# Altium PCB 充电桩应用监管系统2.PcbDoc
Units mm, origin at the board's own origin, x right, y up, seen from the top; angles counter-clockwise.
Board outline 91.69 x 70.49 mm, 2 copper layers (Top Layer, Bottom Layer); 38 components, 32 nets, 140 pads, 14 vias.
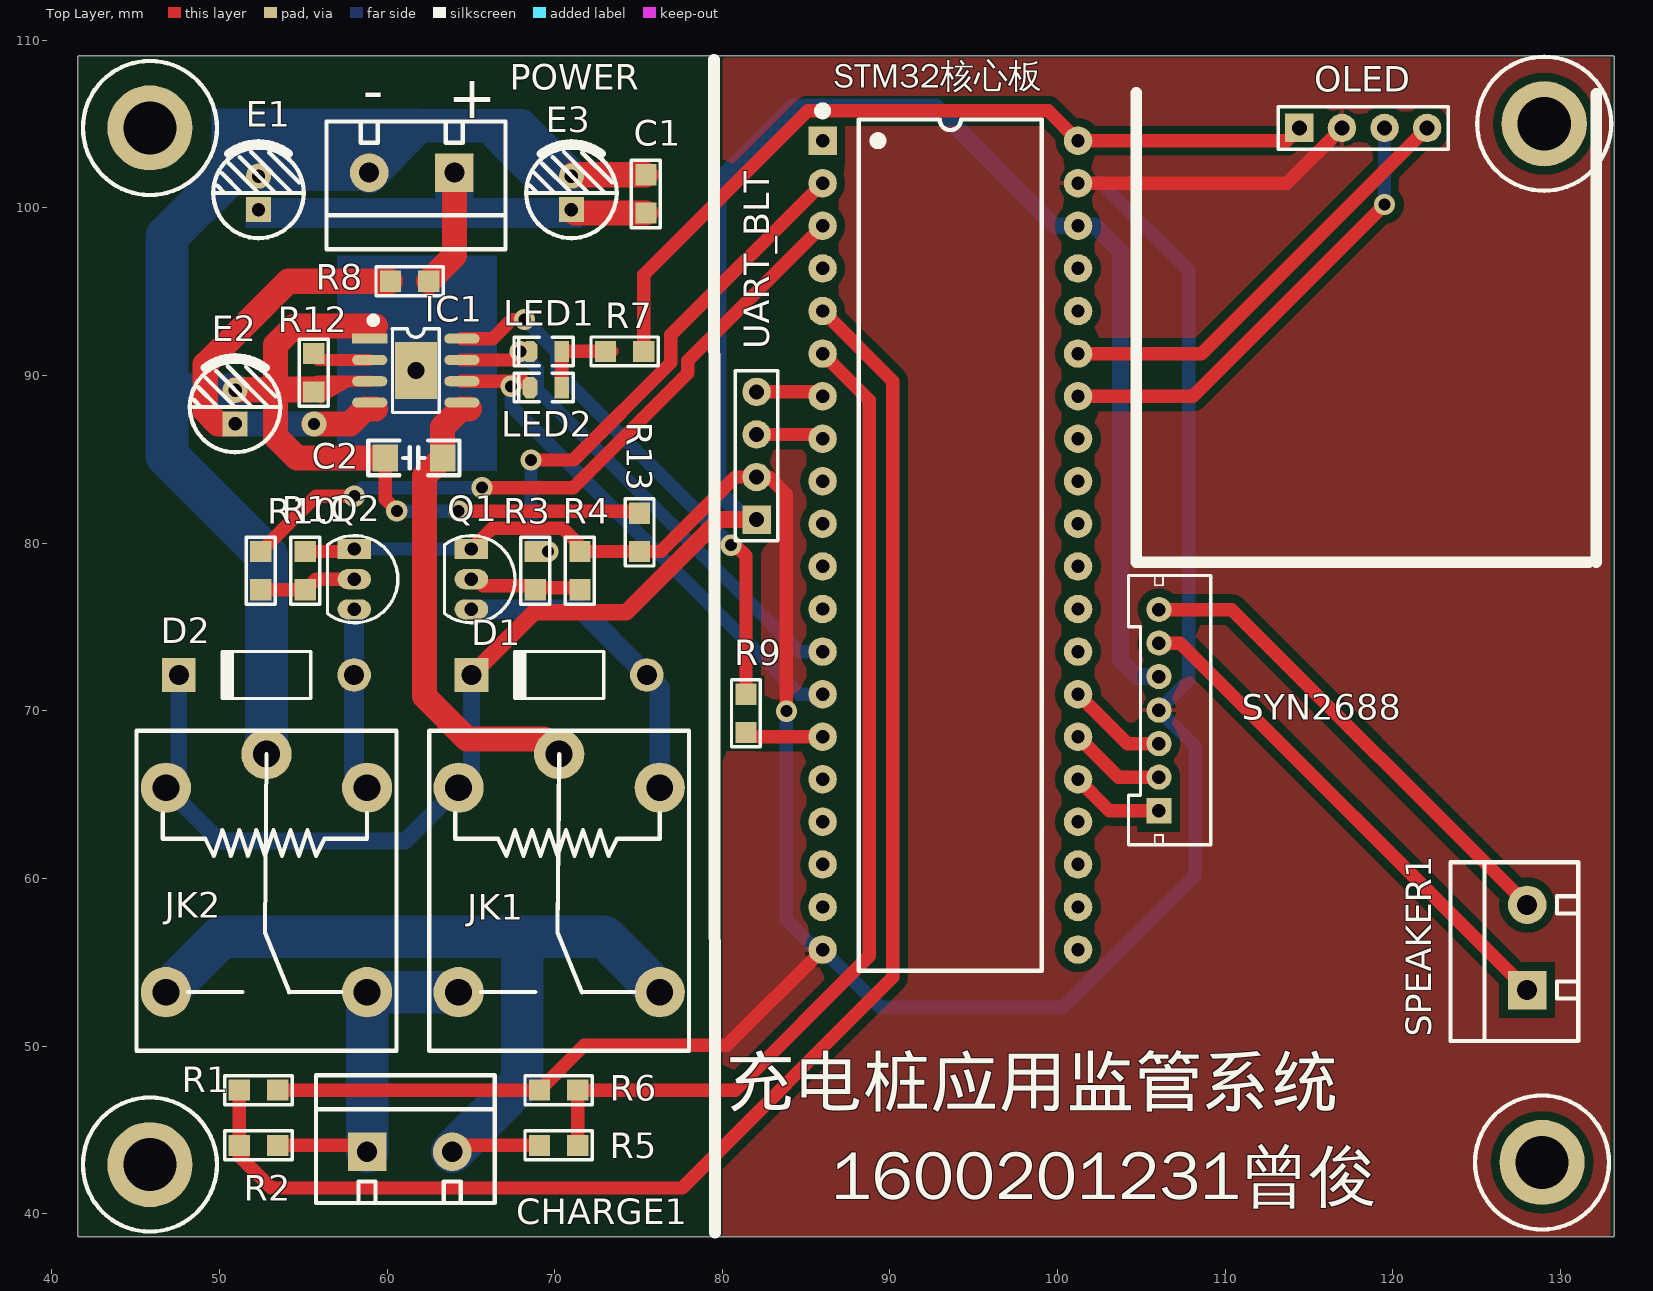
[diagram p0: Top Layer view]
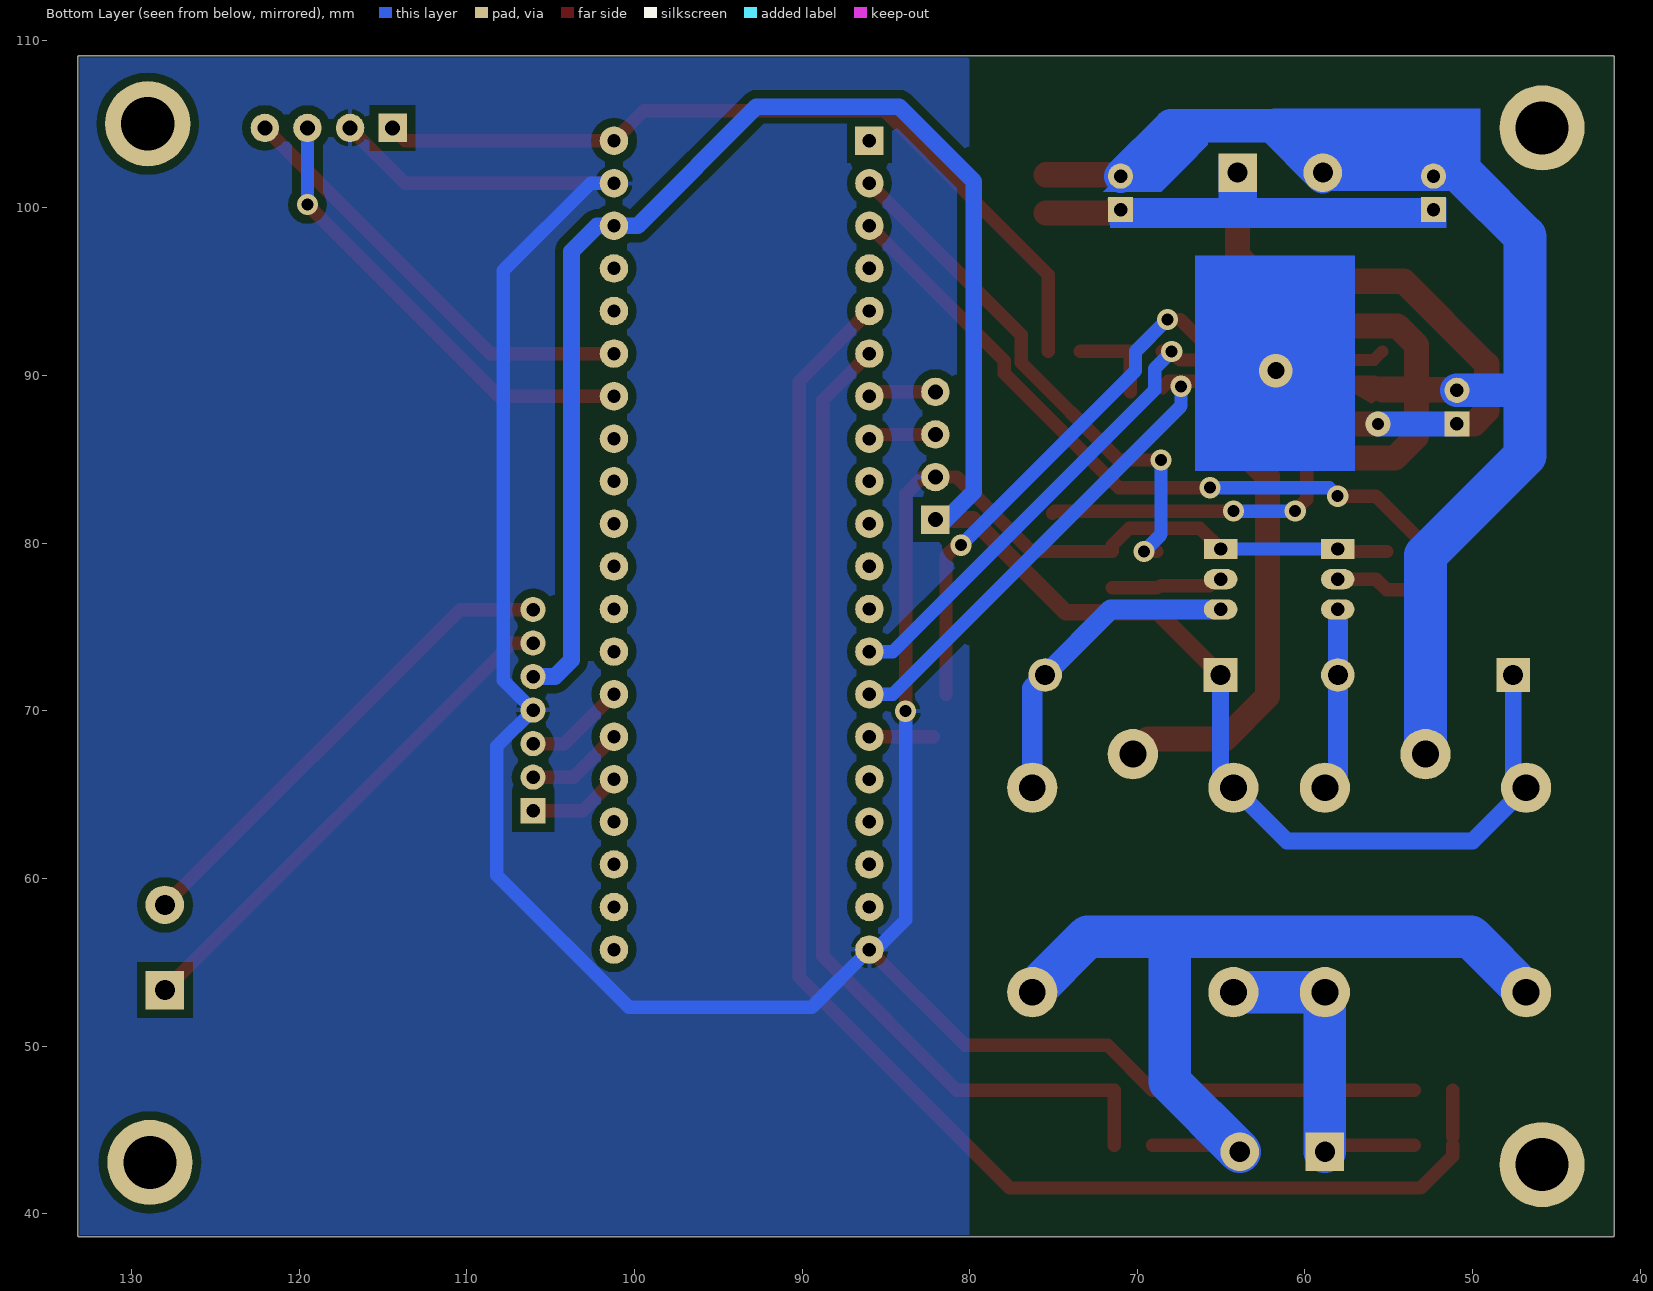
[diagram p1: Bottom Layer view, seen from below]

## Layer stack, top to bottom
Top Solder: solder mask 0.0102, Solder Resist, Dk 3.5
Top Layer: signal copper 0.0356
Dielectric 1: dielectric 0.32, FR-4, Dk 4.8
Bottom Layer: signal copper 0.0356
Bottom Solder: solder mask 0.0102, Solder Resist, Dk 3.5

## Board outline
41.529,38.735 41.529,108.839 cw(c41.656,108.839) 41.546,108.902 cw(c41.656,108.966) 41.656,109.093 133.096,109.093 cw(c133.096,108.966) 133.223,108.966 133.223,38.862 cw(c133.096,38.862) 133.206,38.799 cw(c133.096,38.735) 133.223,38.735 cw(c133.096,38.735) 133.096,38.608 41.656,38.608 cw(c41.656,38.735)

## Design rules (kind name [scope] priority, off if disabled: settings)
Clearance Clearance_GND [InPolygon] p1: gap=0.5 ignorepadtopadclearanceinfootprint=TRUE
Clearance [All] p2: gap=0.203 ignorepadtopadclearanceinfootprint=TRUE
HoleSize [All] p1: absolutevalues=TRUE maxlimit=3.54 minlimit=0.2 maxpercent=80.000 minpercent=20.000
PolygonConnect [All] p1: connectstyle=Relief reliefconductorwidth=0.254 reliefentries=4 polygonreliefangle="90 Angle" airgapwidth=0.254
RoutingVias [All] p1: holewidth=0.711 width=1.27 viastyle="Through Hole" minholewidth=0.711 minwidth=1.27 maxholewidth=0.711 maxwidth=1.27
SolderMaskExpansion [All] p1: expansion=0.102
Width [All] p1: maxlimit=3.54 minlimit=0.5 preferedwidth=0.7
29 further rules are at their usual default settings.

## Classes and differential pairs
component class 充电桩应用监管系统: C1 C2 CHARGE1 D1 D2 E1 E2 IC1 JK1 JK2 LED1 LED2 Q1 Q2 R1 R2 R3 R4 R5 R6 R7 R8 R9 R10 R11 R12 R13 SP2 SP3 SP4 SPEAKER1 STM32核心板 SYN2688

## Components (designator, comment, footprint, x,y, rotation, side; value= is the part's Value field where it differs from the comment)
C1 "104" "R 0805_M" 75.438,100.838 r90 top
C2 "10uF" "C 1206_M" 61.595,85.09 r0 top
CHARGE1 "HDR-1X2" KF301-5.0-2P 63.881,43.688 r0 top
D1 "1N4007" DO-41 70.262,72.136 r180 top
D2 "1N4007" DO-41 52.801,72.136 r180 top
E1 "470uF/16V" "CAP 2.0*5*11 - BK" 52.324,100.899 r90 top
E2 "10uF/16V" "CAP 2.0*5*11 - BK" 50.927,88.122 r90 top
E3 "470uF/16V" "CAP 2.0*5*11 - BK" 70.993,100.899 r90 top (schematic designator E1)
IC1 "TP4056x" ESOP8_M 61.712,90.297 r0 top
JK1 "" SRD-C_B 76.262,65.413 r270 top
JK2 "" SRD-C_B 58.801,65.413 r270 top
LED1 "红色" "LED 0805R" 69.469,91.44 r180 top
LED2 "绿色" "LED 0805G" 69.469,89.281 r180 top
OLED "HDR-1X4" HDR2.54-M-LI-4P 118.237,104.775 r0 top (schematic designator OLED1)
POWER "HDR-1X2" KF301-5.0-2P 58.928,102.108 r180 top (schematic designator POWER1)
Q1 "SS8050" TO92A 65.024,77.851 r180 top
Q2 "SS8050" TO92A 58.039,77.851 r180 top
R1 "1K" "R 0805_M" 52.324,47.371 r0 top
R2 "1K" "R 0805_M" 52.324,44.069 r180 top
R3 "1K" "R 0805_M" 68.834,78.359 r270 top
R4 "4.7K" "R 0805_M" 71.501,78.359 r270 top
R5 "1K" "R 0805_M" 70.231,44.069 r180 top
R6 "1K" "R 0805_M" 70.231,47.371 r0 top
R7 "1K" "R 0805_M" 74.168,91.44 r0 top
R8 "0.4Ω" "R 0805_M" 61.341,95.631 r0 top
R9 "1K" "R 0805_M" 81.407,69.85 r90 top
R10 "1K" "R 0805_M" 52.451,78.359 r270 top
R11 "4.7K" "R 0805_M" 55.118,78.359 r270 top
R12 "1.2K" "R 0805_M" 55.626,90.17 r90 top
R13 "0" "R 0805_M" 75.057,80.645 r90 top
SP1 "M3铜柱" M3x4_L 129.032,105.029 r0 top
SP2 "M3铜柱" M3x4_L 128.905,43.053 r0 top
SP3 "M3铜柱" M3x4_L 45.847,104.775 r0 top
SP4 "M3铜柱" M3x4_L 45.847,42.926 r0 top
SPEAKER1 "HDR-1X2" KF301-5.0-2P 128.016,58.42 r90 top
STM32核心板 "STM32F103C8T6核心板" DIP40-600_MH 93.599,79.883 r0 top (schematic designator U1)
SYN2688 "HDR-1X7" PH2.0-LI-7P 106.045,70.04 r90 top (schematic designator SYN1)
UART_BLT "HDR-1X4" HDR2.54-M-LI-4P 82.042,85.217 r90 top (schematic designator UART_BLUETOOTH1)

## Footprints (in the part's own frame and the unit in brackets; to place one, negate y for a bottom-side part, rotate by r counter-clockwise, add the part's x,y. Pads: shape width x height; smd on the part's side, far side on the other; paste and mask are expansions set on the pad)
"C 1206_M" [mil] "无极性贴片电容"
  rect 60x62.99 smd: 1(-67.51,-0.01) 2(67.5,0)
  silkscreen extent -107,-41 107,41, body extent -63,-32 63,32, height 48
"CAP 2.0*5*11 - BK" [mm] "脚距2mm直径5mm高度11mm"
  rect 1.5x1.5 hole 0.8: A(-1,0)
  round 1.5 hole 0.8: K(1,0)
  silkscreen extent -2.7,-2.7 2.96,2.7, body extent -2.5,-2.5 2.51,2.5, height 11.04
DIP40-600_MH [mm] "带底座 52*15.2*4mm(长宽高)"
  rect 1.7x1.7 hole 0.8: 1(-7.62,24.13)
  round 1.7 hole 0.8: 2(-7.62,21.59) 3(-7.62,19.05) 4(-7.62,16.51) 5(-7.62,13.97) 6(-7.62,11.43) 7(-7.62,8.89) 8(-7.62,6.35) 9(-7.62,3.81) 10(-7.62,1.27) 11(-7.62,-1.27) 12(-7.62,-3.81) 13(-7.62,-6.35) 14(-7.62,-8.89) 15(-7.62,-11.43) 16(-7.62,-13.97) 17(-7.62,-16.51) 18(-7.62,-19.05) 19(-7.62,-21.59) 20(-7.62,-24.13) 21(7.62,-24.13) 22(7.62,-21.59) 23(7.62,-19.05) 24(7.62,-16.51) 25(7.62,-13.97) 26(7.62,-11.43) 27(7.62,-8.89) 28(7.62,-6.35) 29(7.62,-3.81) 30(7.62,-1.27) 31(7.62,1.27) 32(7.62,3.81) 33(7.62,6.35) 34(7.62,8.89) 35(7.62,11.43) 36(7.62,13.97) 37(7.62,16.51) 38(7.62,19.05) 39(7.62,21.59) 40(7.62,24.13)
  silkscreen extent -7.87,-25.4 5.46,26.16, body extent -8.9,-26.18 8.9,26.18, height 8.3
DO-41 [mm] "Diode, Axial; Body 5.2 x 2.7 mm (LxDia. max), Lead Dia. 0.86 mm (max)"
  round 2 hole 1.2: 1(-5.23,0)
  rect 2x2 hole 1.2: 2(5.23,0)
  silkscreen extent -2.65,-1.4 2.75,1.4
ESOP8_M [mm] "5*6*1.8mm（长宽高）"
  rect 2.1x0.6 smd: 1(-2.75,1.905)
  oval 2.1x0.6 smd: 2(-2.75,0.635) 3(-2.75,-0.635) 4(-2.75,-1.905) 5(2.75,-1.905) 6(2.75,-0.635) 7(2.75,0.635) 8(2.75,1.905)
  rect 2.5x3.4 smd paste-2: 9(0,0)
  rect 0.9x0.7 on Top Paste: 10(-0.625,-1.1) 10(-0.625,0) 10(-0.625,1.1) 11(0.65,-1.1) 11(0.65,0) 11(0.65,1.1)
  silkscreen extent -2.69,-2.5 1.4,3.15, body extent -3,-2.5 3,2.5, height 1.53
HDR2.54-M-LI-4P [mm] "排母，4脚"
  rect 1.7x1.7 hole 0.9: 1(-3.81,0)
  round 1.7 hole 0.9: 2(-1.27,0) 3(1.27,0) 4(3.81,0)
  silkscreen extent -5.08,-1.27 5.08,1.27, body extent -5.08,-1.27 5.08,1.27, height 8.5
KF301-5.0-2P [mm] "可拼接端子/6A"
  rect 2.3x2.3 hole 1.2: 1(-5.08,0)
  round 2.3 hole 1.2: 2(0,0)
  silkscreen extent -8.13,-3.05 2.54,4.57, body extent -7.95,-3 2.55,4.6, height 10.05
"LED 0805G" [mil] "绿色0805LED"
  rect 35x50 smd: 1(-37.4,0)
  oct 35x50 smd: 2(37.4,0)
  silkscreen extent -64,-33 75,33, body extent -39,-25 39,25, height 32
"LED 0805R" [mil] "红色0805LED"
  rect 35x50 smd: 1(-37.41,0)
  oct 35x50 smd: 2(37.4,0)
  silkscreen extent -64,-33 75,33, body extent -39,-25 39,25, height 32
M3x4_L [mm] "M3铜柱，长：4mm"
  round 5.08 hole 3.175: 1(0,0)
  silkscreen extent -4,-4 4,4, body extent -2.7,-2.35 2.7,2.35, height 4.05
PH2.0-LI-7P [mm] "长：15.9mm，宽：4.7mm，高：6mm"
  rect 1.5x1.5 hole 0.8: 1(-6,0)
  round 1.5 hole 0.8: 2(-4,0) 3(-2,0) 4(0,0) 5(2,0) 6(4,0) 7(6,0)
  silkscreen extent -8.03,-3.08 8.03,1.82, body extent -7.95,-3 7.95,1.7, height 6.01
"R 0805_M" [mil] "1/8W贴片电阻"
  rect 50x50 smd: 1(-45.01,-0.01) 2(45,0)
  silkscreen extent -79,-34 79,34, body extent -39,-25 39,25, height 20
SRD-C_B [mm] "单刀双投"
  round 3 hole 1.6: 1(0,0) 2(0,-12) 3(-2,-6) 4(12.2,0) 5(12.2,-12)
  silkscreen extent -3.4,-13.75 15.7,1.75, body extent -3.4,-13.75 15.7,1.75, height 15.6
TO92A [mm] "92晶体管"
  rect 2x1.2 hole 0.8: 1(0,-1.8)
  oval 2x1.2 hole 0.8: 2(0,0) 3(0,1.8)
  silkscreen extent -2.6,-2.6 1.6,2.6, body extent -2.3,-2.3 1.3,2.3, height 7.6

## Part data
C1: library part C-CC, "直插瓷片电容"
C2: library part C, "无极性贴片电容"
CHARGE1 POWER SPEAKER1: library part "Header 2", "2P接插件"
D1 D2: "整流二极管"
E1 E2 E3: library part C-CAP, "直插电解电容"
IC1: library part TP4056, "锂电池充电管理"
JK1 JK2: library part SRD-05VDC-SL-C, "5V一组转换"
LED1 LED2: library part LED-3MM, "插件LED", 学习资源=ww
OLED UART_BLT: library part "Header 4", "4P接插件"
Q1 Q2: library part 8050-DIP, "高频放大-NPN型"
R1 R2 R3 R4 R5 R6 R7 R8 R9 R10 R11 R12 R13: library part R-CRR, "直插色环电阻"
SP1 SP2 SP3 SP4: library part 铜柱小焊盘, "铜柱"
SYN2688: library part "Header 7", "7P接插件"

## Via types
v1: diameter 1.27, hole 0.711, Top Layer to Bottom Layer, 12 vias
v2: diameter 1.5, hole 0.711, Top Layer to Bottom Layer, 1 vias
v3: diameter 2, hole 1, Top Layer to Bottom Layer, 1 vias

## Nets (pads, with @x,y where several pads share a name; then routed paths per layer and width w, separated by ;. In a path a pad name is that pad's centre, name@x,y a point inside that pad or via, vN(x,y) a via of type N, cw(c..) or ccw(c..) an arc to the next point about the centre after c; other vN are vias at no path point)
+3.3: OLED.1 R7.2 STM32核心板.40 | length 48.8
  Top Layer w0.8: R7.2 75.311,96.012 85.09,105.791 99.441,105.791 STM32核心板.40 113.665,104.013 OLED.1
+5: D1.2 D2.2 JK1.2 JK2.2 STM32核心板.38 SYN2688.5 UART_BLT.1 | length 133
  Top Layer w1: D1.2 68.774,75.878 74.263,75.878 79.792,81.407 UART_BLT.1
  Bottom Layer w1: D2.2 47.571,66.183 JK2.2 49.984,62.23 61.079,62.23 JK1.2 65.032,66.183 D1.2 ; UART_BLT.1 81.407,81.407 79.756,83.058 79.756,101.6 84.201,106.045 92.71,106.045 99.822,98.933 STM32核心板.38 102.235,98.933 103.759,97.409 103.759,73.025 104.744,72.04 SYN2688.5
ADC+: R5.1 R6.2 STM32核心板.6 | length 61.1
  Top Layer w0.8: R5.1 R6.2 80.772,47.371 88.773,55.372 88.773,88.519 STM32核心板.6
ADC-: R1.1 R2.2 STM32核心板.5 | length 89.9
  Top Layer w0.8: R2.2 51.181,43.434 53.086,41.529 77.597,41.529 90.17,54.102 90.17,89.662 STM32核心板.5 ; R2.2@51.181,44.577 R1.1
BAT: C2.2 IC1.5 JK1.3 | length 28
  Top Layer w1.5: 64.897,88.011 64.389,88.011 63.309,86.931 C2.2 62.23,84.01 62.23,70.866 64.77,68.326 69.349,68.326 JK1.3
BUSY: STM32核心板.25 SYN2688.1 | length 5.6
  Top Layer w0.8: STM32核心板.25 103.092,64.04 SYN2688.1
CHG: IC1.7 LED1.2 STM32核心板.13 | length 30.5
  Top Layer w0.8: IC1.7 67.437,90.932 v1(67.945,91.44) LED1.2
  Bottom Layer w0.8: v1(67.945,91.44) 68.961,90.424 68.961,89.154 84.582,73.533 STM32核心板.13
GND: OLED.2 Q1.1 Q2.1 R1.2 R4.1 R6.1 R11.1 R13.1 STM32核心板.20 STM32核心板.39 SYN2688.4 UART_BLT.2 | length 187.1
  Top Layer w0.8: R1.2 R6.1 71.755,50.038 80.264,50.038 STM32核心板.20 ; R11.1 57.89,79.502 Q2.1 ; Q1.1 66.272,80.899 70.485,80.899 71.501,79.883 R4.1 R13.1 76.327,79.502 80.772,83.947 UART_BLT.2 82.804,83.947 83.82,82.931 v1(83.82,69.977) ; STM32核心板.39 113.678,101.473 116.967,104.762 OLED.2
  Bottom Layer w0.8: Q2.1 Q1.1 ; v1(83.82,69.977) 83.82,57.531 85.598,55.753 STM32核心板.20 89.408,52.324 100.33,52.324 108.204,60.198 108.204,67.881 SYN2688.4 107.823,71.818 107.823,96.266 102.616,101.473 STM32核心板.39
JK1: R3.1 STM32核心板.2 | length 31.8
  Top Layer w0.8: v1(68.58,84.963) 71.12,84.963 76.93,90.773 76.93,92.424 STM32核心板.2 ; R3.1 v1(69.596,79.502)
  Bottom Layer w0.8: v1(68.58,84.963) 68.58,80.518 v1(69.596,79.502)
JK2: R10.1 STM32核心板.3 | length 42
  Top Layer w0.8: R10.1 55.753,82.804 v1(58.039,82.804) ; v1(65.659,83.312) 71.106,83.312 77.933,90.14 77.933,90.887 STM32核心板.3
  Bottom Layer w0.8: v1(58.039,82.804) 58.547,83.312 v1(65.659,83.312)
NetD1_1: D1.1 JK1.1 Q1.3 | length 19.1
  Bottom Layer w1.2: Q1.3 71.577,76.051 D1.1 76.262,71.366 JK1.1
NetD2_1: D2.1 JK2.1 Q2.3 | length 11
  Bottom Layer w1.2: Q2.3 58.031,76.043 D2.1 58.031,66.183 JK2.1
NetE2_1: E2.A IC1.4 R8.1 | length 26.7
  Top Layer w1.5: E2.A 49.911,87.122 49.149,87.884 49.149,90.678 54.102,95.631 R8.1 ; v2(55.626,87.122) 57.785,87.122 58.674,88.011 59.309,88.011
  Bottom Layer w1.5: E2.A v2(55.626,87.122)
NetIC1_2: IC1.2 R12.2 | length 3.8
  Top Layer w0.7: R12.2@55.372,91.44 55.88,90.932 IC1.2
NetIC1_8: IC1.8 R9.2 | length 32.2
  Top Layer w0.8: IC1.8 66.294,92.202 67.437,93.345 v1(68.199,93.345) ; v1(80.518,79.883) 80.772,79.883 81.407,79.248 R9.2
  Bottom Layer w0.8: v1(68.199,93.345) 70.104,91.44 70.104,90.297 v1(80.518,79.883)
NetLED1_1: LED1.1 LED2.1 R7.1 | length 5.4
  Top Layer w0.8: LED2.1@70.419,89.027 LED1.1 R7.1@73.406,91.44
NetQ1_2: Q1.2 R3.2 R4.2 | length 6.7
  Top Layer w0.8: Q1.2 65.326,77.851 65.707,77.47 68.58,77.47 68.834,77.343 R4.2@71.501,77.343
NetQ2_2: Q2.2 R10.2 R11.2 | length 5.9
  Top Layer w0.8: R10.2 R11.2 55.753,77.851 Q2.2
NetSPEAKER1_1: SPEAKER1.2 SYN2688.7 | length 29.3
  Top Layer w0.8: SYN2688.7 110.396,76.04 SPEAKER1.2
NetSPEAKER1_2: SPEAKER1.1 SYN2688.6 | length 30.5
  Top Layer w0.8: SYN2688.6 107.316,74.04 SPEAKER1.1
P+: CHARGE1.2 JK1.4 JK2.5 R5.2 | length 52.1
  Top Layer w0.8: CHARGE1.2 64.262,44.069 R5.2
  Bottom Layer w2.54: JK2.5 50.103,56.515 68.072,56.515 ; CHARGE1.2 68.072,47.879 68.072,56.515 ; JK1.4 72.96,56.515 68.072,56.515
P-: CHARGE1.1 JK1.5 JK2.4 R2.1 | length 20.5
  Top Layer w0.8: R2.1 58.42,44.069 CHARGE1.1
  Bottom Layer w2.54: CHARGE1.1 JK2.4 JK1.5
POWER+: C1.1 E1.A E3.A POWER.1 R8.2 | length 11.6
  Top Layer w1.5: R8.2 64.008,97.155 POWER.1 ; E3.A 71.198,99.695 C1.1
POWER-: C1.2 C2.1 E1.K E2.K E3.K IC1.1 IC1.3 JK2.3 POWER.2 R12.1 R13.2 | length 123
  Top Layer w0.7: 53.086,89.154 53.086,91.44 53.34,91.694 54.229,92.583 58.581,92.583 ; R12.1@55.372,89.154 55.88,89.662 IC1.3
  Top Layer w0.8: C2.1 59.88,82.614 v1(60.579,81.915) ; v1(64.262,81.915) 74.93,81.915 R13.2
  Top Layer w1.5: E2.K@50.927,89.154 52.594,89.154 ; 53.086,89.154 53.34,89.154 ; R12.1@55.372,89.154 53.34,89.154 ; 59.309,92.964 54.483,92.964 53.34,91.821 53.34,91.694 53.34,89.154 ; C2.1 54.61,85.09 53.34,86.36 53.34,89.154 ; E3.K 71.075,101.981 C1.2
  Bottom Layer w0.8: v1(60.579,81.915) v1(64.262,81.915)
  Bottom Layer w1.8: 50.464,101.899 E1.K 58.883,101.899 POWER.2@58.928,101.854
  Bottom Layer w2: 46.863,89.154 46.895,89.122 E2.K ; POWER.2@58.928,101.854 61.976,104.902 67.99,104.902 E3.K
  Bottom Layer w2.54: 50.464,101.899 46.863,98.298 46.863,89.154 46.863,85.217 52.801,79.279 JK2.3
SCL: OLED.3 STM32核心板.34 | length 27.6
  Top Layer w0.8: STM32核心板.34 108.077,88.773 v1(119.507,100.203)
  Bottom Layer w0.8: v1(119.507,100.203) OLED.3
SDA: OLED.4 STM32核心板.35 | length 26.4
  Top Layer w0.8: STM32核心板.35 108.585,91.313 OLED.4
STD: IC1.6 LED2.2 STM32核心板.14 | length 31.1
  Top Layer w0.8: IC1.6 68.138,89.662 LED2.2
  Bottom Layer w0.8: v1(67.386,89.359) 67.386,88.189 84.582,70.993 STM32核心板.14
SW1: R9.1 STM32核心板.15 | length 3.8
  Top Layer w0.8: 82.169,68.453 STM32核心板.15
USART1_RX: STM32核心板.27 SYN2688.3 | length 6
  Top Layer w0.8: STM32核心板.27 104.172,68.04 SYN2688.3
USART1_TX: STM32核心板.26 SYN2688.2 | length 5.8
  Top Layer w0.8: STM32核心板.26 103.632,66.04 SYN2688.2
USART2_RX: STM32核心板.8 UART_BLT.3 | length 4
  Top Layer w0.8: UART_BLT.3 85.725,86.487 STM32核心板.8
USART2_TX: STM32核心板.7 UART_BLT.4 | length 4
  Top Layer w0.8: UART_BLT.4 85.725,89.027 STM32核心板.7
pads on no net: IC1.9 IC1.10 IC1.11 SP1.1 SP2.1 SP3.1 SP4.1 STM32核心板.1 STM32核心板.4 STM32核心板.9 STM32核心板.10 STM32核心板.11 STM32核心板.12 STM32核心板.16 STM32核心板.17 STM32核心板.18 STM32核心板.19 STM32核心板.21 STM32核心板.22 STM32核心板.23 STM32核心板.24 STM32核心板.28 STM32核心板.29 STM32核心板.30 STM32核心板.31 STM32核心板.32 STM32核心板.33 STM32核心板.36 STM32核心板.37
copper on no net:
  other v3: 61.722,90.297

## Polygon pours and split planes (outlines as drawn)
no net on Bottom Layer "Bottom Layer-No Net" (solid, pour order 12): 81.534,108.712
GND on Bottom Layer "GND_L02_P010" (solid, remove dead copper, pour order 10): 80.01,38.735 133.096,38.735 133.096,108.966 80.137,108.966 80.01,109.093
no net on Bottom Layer "Bottom Layer-No Net 1" (solid, pour order 6): 55.753,98.679
no net on Bottom Layer "Bottom Layer-No Net 2" (solid, pour order 4): 57.531,99.06
GND on Top Layer "TOP_GND" (solid, remove dead copper, pour order 8): 80.01,108.839 80.137,108.966 132.969,108.966 132.969,38.735 132.842,38.608 80.01,38.608 80.01,109.093 79.883,108.966 80.137,108.712

## Other copper
Top Layer:
  region net POWER-: 54.102,89.916 58.778,89.916 56.002,88.309
  region: 58.039,91.948
  region: 60.833,42.926
Bottom Layer:
  region: 57.023,97.155 57.023,84.328 66.548,84.328 66.548,97.155
  region: 69.215,67.183
  region net POWER-: 72.025,100.965 68.58,100.965 67.056,102.489 65.786,103.759 65.786,104.14 66.167,104.14 67.437,105.41
  region net POWER-: 61.911,105.918 49.53,105.918 49.53,101.727 49.022,101.219 58.42,101.219
  region net POWER+: 62.865,103.124 62.865,99.187 65.151,99.187 65.151,103.124
  region net POWER+: 51.562,100.584 71.755,100.584 71.607,98.806 51.562,98.806

## Silkscreen, mask and mechanical layers (free items; w line width, h text height)
Top Overlay:
  lines w0.7: 79.5,108.839 79.557,38.862 ; 104.699,106.867 104.699,78.867 131.699,78.867 ; 132.131,78.867 132.131,106.807
  text "-" at 58.547,105.791 h2.54
  text "+" at 63.627,105.368 h2.54
  text "充电桩应用监管系统" at 80.264,45.466 h5.08
  text "1600201231曾俊" at 86.487,39.878 h5.08
Bottom Paste:
  region: 57.277,96.901 66.294,96.901 66.294,84.709 66.167,84.836 57.404,84.836